# Allegro board REF_038HX-888005K4R-A100.brd (continued)
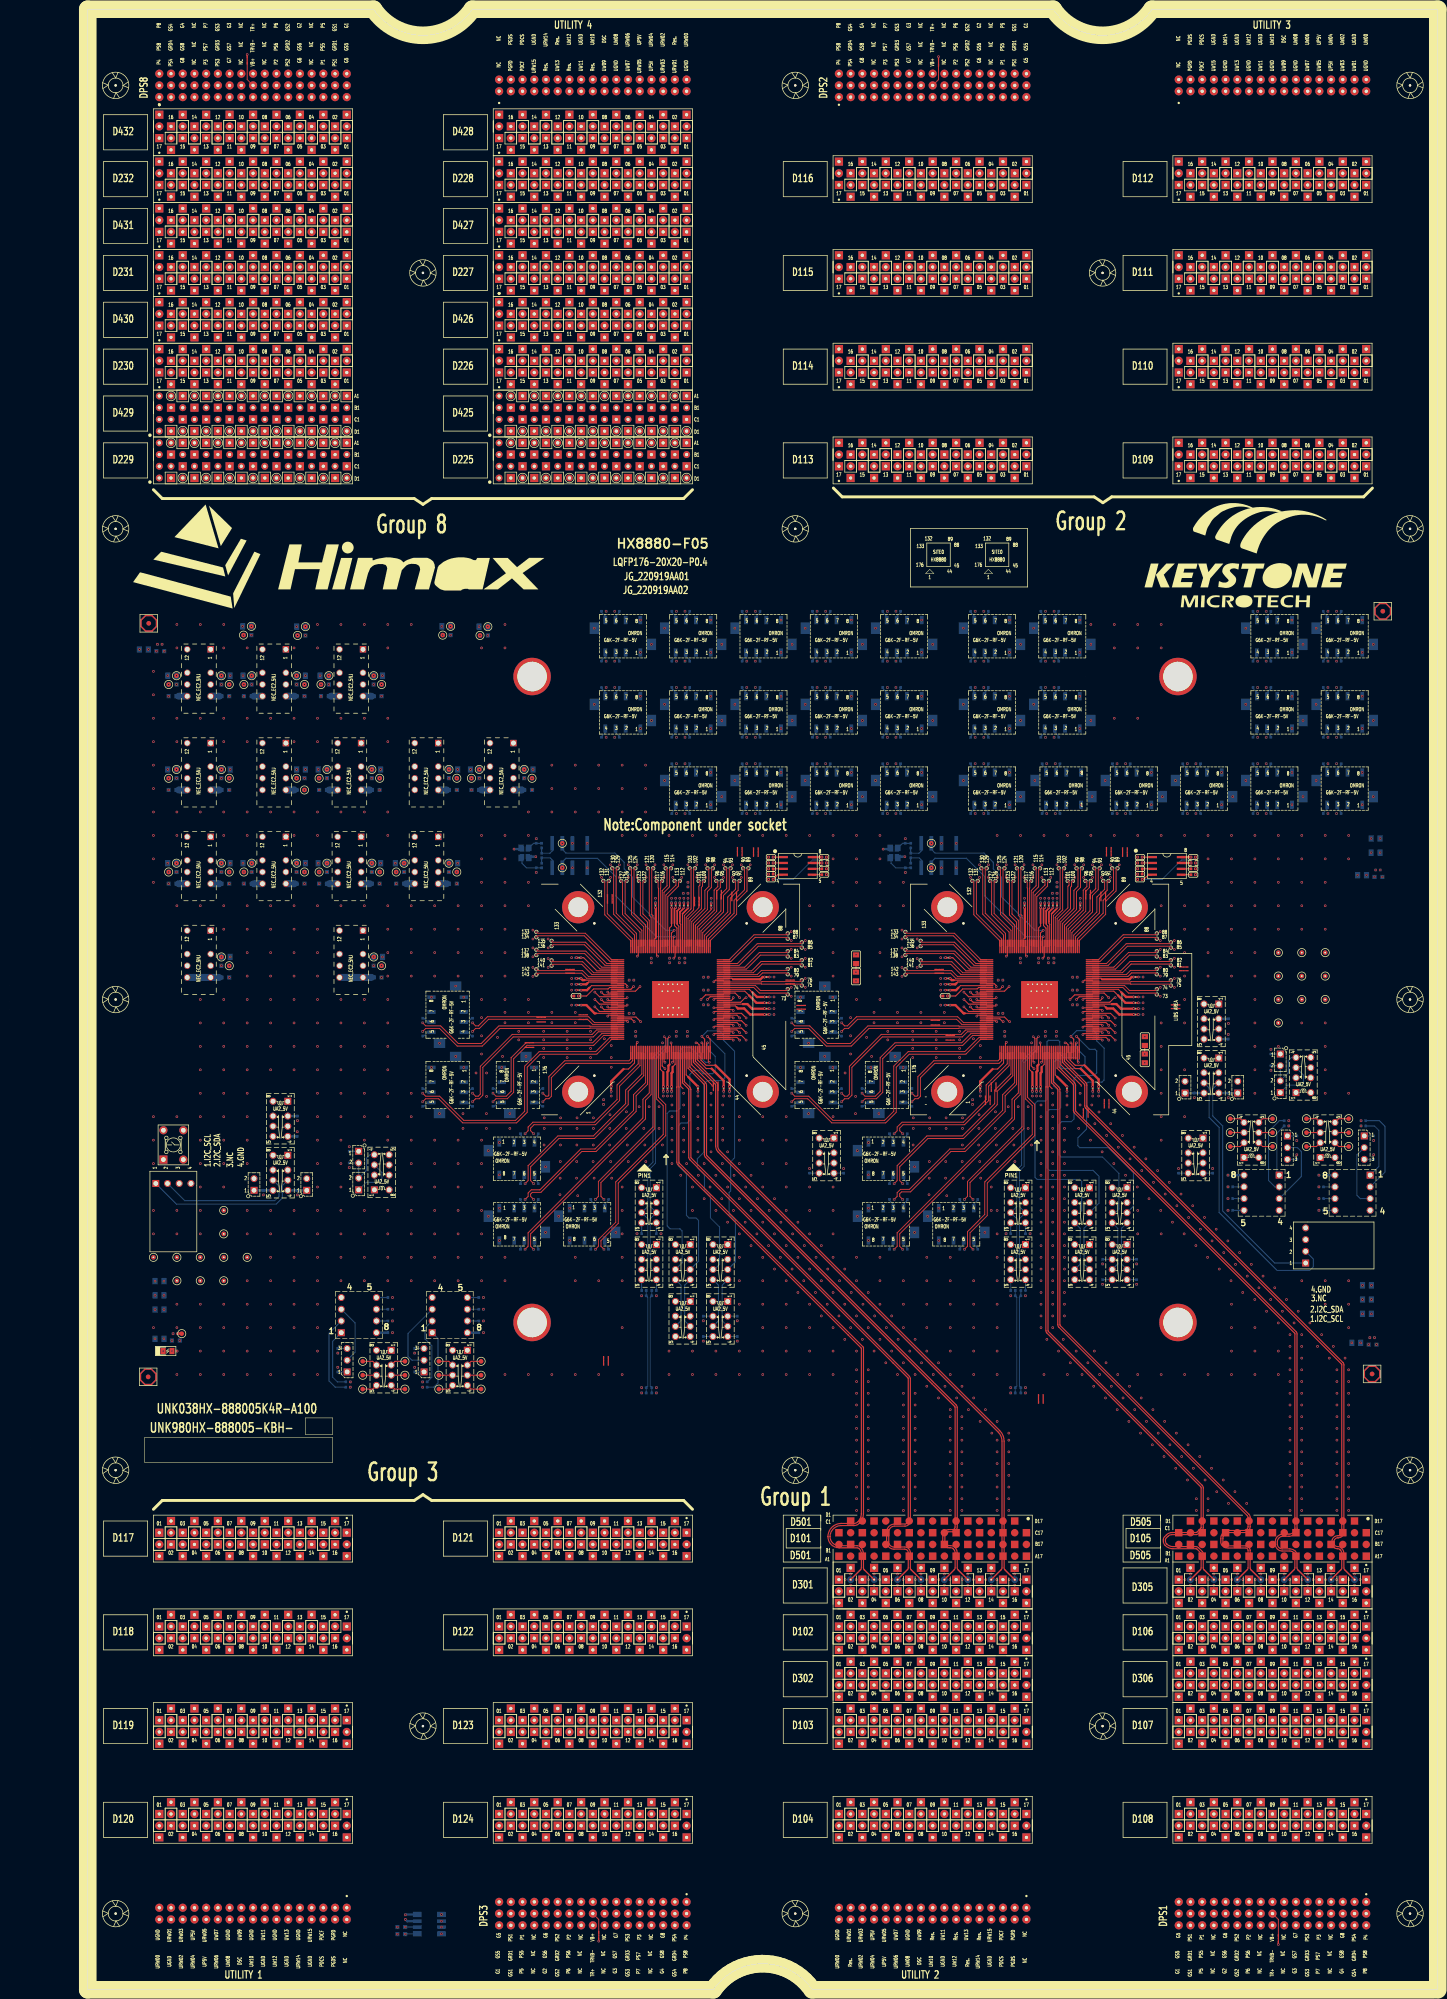
[diagram p0: board, top side]
## Nets (continued)
1SK1_2: UNK1SK1_2.1 UNK2SK1.2
1SK1_3: UNK1SK1_3.1 UNK2SK1.3
1SK1_4: UNK1SK1_4.1 UNK2SK1.4
1SK1_5: UNK1SK1_5.1 UNK2SK1.5
1SK1_6: UNK1SK1_6.1 UNK2SK1.6
1SK1_7: UNK1SK1_7.1 UNK2SK1.7
1SK2_2: UNK1SK2_2.1 UNK2SK2.2
1SK2_3: UNK1SK2_3.1 UNK2SK2.3
1SK2_4: UNK1SK2_4.1 UNK2SK2.4
1SK2_5: UNK1SK2_5.1 UNK2SK2.5
1SK2_6: UNK1SK2_6.1 UNK2SK2.6
1SK2_7: UNK1SK2_7.1 UNK2SK2.7
CSDPS225GS1: CSDPS225.D2 SH2.2
CSDPS225GS2: CSDPS225.A1
CSDPS225GS3: CSDPS225.D4 SH24.2
CSDPS225GS4: CSDPS225.A3
CSDPS225GS5: CSDPS225.D6 SH13.2
CSDPS225GS6: CSDPS225.A5
CSDPS225GS7: CSDPS225.D8 SH8.2
CSDPS225GS8: CSDPS225.A7
CSDPS225GS9: CSDPS225.D10 SH26.2
CSDPS225GS10: CSDPS225.A9
CSDPS225GS11: CSDPS225.D12 SH15.2
CSDPS225GS12: CSDPS225.A11
CSDPS225GS13: CSDPS225.A13 CSDPS225.D14 CSDPS225.D16 SH6.2
CSDPS225GS16: CSDPS225.A15
CSDPS225P1: CA1.1 CA2.1 CC1.1 CC2.1 CD1.1 CSDPS225.B1 K34.4 RP1.1 SH1.1 SITE1.3(VDDA_33_LV) TP_VDDA_33_LV.1(TP)
CSDPS225P2: CSDPS225.C2
CSDPS225P3: CA32.1 CA33.1 CC26.1 CD16.1 CSDPS225.B3 K31.4 RP10.1 SH23.1 SITE1.105(AVDD11_XTAL) TP_AVDD11_XTAL.1(TP)
CSDPS225P4: CSDPS225.C4
CSDPS225P5: CA13.1 CA14.1 CC19.1 CC20.1 CD13.1 CSDPS225.B5 K40.4 RP7.1 SH14.1 SITE1.106(PLL_M_VDD33) TP_PLL_M_VDD33.1(TP)
CSDPS225P6: CSDPS225.C6
CSDPS225P7: CA7.1 CA8.1 CC11.1 CD8.1 CSDPS225.B7 K37.4 RP4.1 SH7.1 SITE1.25(AVDD18_RX) TP_AVDD18_RX.1(TP)
CSDPS225P8: CSDPS225.C8
CSDPS225P9: CA35.1 CA36.1 CC17.1 CC29.1 CC37.1 CC38.1 CD12.1 CD24.1 CSDPS225.B9 K39.9 RP11.1 SH25.1 SITE1.119(VDDTXPST_11_T-1) SITE1.139(VDDTXPST_11_T-2) TP_VDDTXPST_11_T.1(TP)
CSDPS225P10: CSDPS225.C10
CSDPS225P11: CA15.1 CA16.1 CC22.1 CC23.1 CD14.1 CSDPS225.B11 K40.9 RP8.1 SH16.1 SITE1.111(PLL_TX_VDD33) TP_PLL_TX_VDD33.1(TP)
CSDPS225P12: CSDPS225.C12
CSDPS225P13: CA5.1 CA6.1 CC6.1 CC7.1 CC8.1 CC9.1 CC36.1 CD4.1 CD5.1 CD6.1 CD7.1 CD23.1 CSDPS225.B13 CSDPS225.B15 CSDPS225.C14 K36.4 K36.9 RP3.1 SH5.1 SITE1.22(VDDC_11-1) SITE1.39(VDDC_11-2) SITE1.64(VDDC_11-3) SITE1.104(VDDC_11-4) SITE1.147(VDDC_11-5) TP_VDDC_11.1(TP)
CSDPS225P16: CSDPS225.C16
CSDPS225PS1: CSDPS225.D1 SH1.2
CSDPS225PS2: CSDPS225.A2
CSDPS225PS3: CSDPS225.D3 SH23.2
CSDPS225PS4: CSDPS225.A4
CSDPS225PS5: CSDPS225.D5 SH14.2
CSDPS225PS6: CSDPS225.A6
CSDPS225PS7: CSDPS225.D7 SH7.2
CSDPS225PS8: CSDPS225.A8
CSDPS225PS9: CSDPS225.D9 SH25.2
CSDPS225PS10: CSDPS225.A10
CSDPS225PS11: CSDPS225.D11 SH16.2
CSDPS225PS12: CSDPS225.A12
CSDPS225PS13: CSDPS225.A14 CSDPS225.D13 CSDPS225.D15 SH5.2
CSDPS225PS16: CSDPS225.A16
CSDPS229GS1: 2SH2.2 CSDPS229.D2
CSDPS229GS2: CSDPS229.A1
CSDPS229GS3: 2SH24.2 CSDPS229.D4
CSDPS229GS4: CSDPS229.A3
CSDPS229GS5: 2SH13.2 CSDPS229.D6
CSDPS229GS6: CSDPS229.A5
CSDPS229GS7: 2SH8.2 CSDPS229.D8
CSDPS229GS8: CSDPS229.A7
CSDPS229GS9: 2SH26.2 CSDPS229.D10
CSDPS229GS10: CSDPS229.A9
CSDPS229GS11: 2SH15.2 CSDPS229.D12
CSDPS229GS12: CSDPS229.A11
CSDPS229GS13: 2SH6.2 CSDPS229.A13 CSDPS229.D14 CSDPS229.D16
CSDPS229GS16: CSDPS229.A15
CSDPS229P1: 2SH1.1 CSDPS229.B1 SITE2.3(VDDA_33_LV) UNK2CA1.1 UNK2CA2.1 UNK2CC1.1 UNK2CC2.1 UNK2CD1.1 UNK2K34.4 UNK2RP1.1 UNK2TP_VDDA_33_LV.1
CSDPS229P2: CSDPS229.C2
CSDPS229P3: 2SH23.1 CSDPS229.B3 SITE2.105(AVDD11_XTAL) UNK2CA32.1 UNK2CA33.1 UNK2CC26.1 UNK2CD16.1 UNK2K31.4 UNK2RP10.1 UNK2TP_AVDD11_XTAL.1
CSDPS229P4: CSDPS229.C4
CSDPS229P5: 2SH14.1 CSDPS229.B5 SITE2.106(PLL_M_VDD33) UNK2CA13.1 UNK2CA14.1 UNK2CC19.1 UNK2CC20.1 UNK2CD13.1 UNK2K40.4 UNK2RP7.1 UNK2TP_PLL_M_VDD33.1
CSDPS229P6: CSDPS229.C6
CSDPS229P7: 2SH7.1 CSDPS229.B7 SITE2.25(AVDD18_RX) UNK2CA7.1 UNK2CA8.1 UNK2CC11.1 UNK2CD8.1 UNK2K37.4 UNK2RP4.1 UNK2TP_AVDD18_RX.1
CSDPS229P8: CSDPS229.C8
CSDPS229P9: 2SH25.1 CSDPS229.B9 SITE2.119(VDDTXPST_11_T-1) SITE2.139(VDDTXPST_11_T-2) UNK2CA35.1 UNK2CA36.1 UNK2CC17.1 UNK2CC29.1 UNK2CC37.1 UNK2CC38.1 UNK2CD12.1 UNK2CD24.1 UNK2K39.9 UNK2RP11.1 UNK2TP_VDDTXPST_11_T.1
CSDPS229P10: CSDPS229.C10
CSDPS229P11: 2SH16.1 CSDPS229.B11 SITE2.111(PLL_TX_VDD33) UNK2CA15.1 UNK2CA16.1 UNK2CC22.1 UNK2CC23.1 UNK2CD14.1 UNK2K40.9 UNK2RP8.1 UNK2TP_PLL_TX_VDD33.1
CSDPS229P12: CSDPS229.C12
CSDPS229P13: 2SH5.1 CSDPS229.B13 CSDPS229.B15 CSDPS229.C14 SITE2.22(VDDC_11-1) SITE2.39(VDDC_11-2) SITE2.64(VDDC_11-3) SITE2.104(VDDC_11-4) SITE2.147(VDDC_11-5) UNK2CA5.1 UNK2CA6.1 UNK2CC6.1 UNK2CC7.1 UNK2CC8.1 UNK2CC9.1 UNK2CC36.1 UNK2CD4.1 UNK2CD5.1 UNK2CD6.1 UNK2CD7.1 UNK2CD23.1 UNK2K36.4 UNK2K36.9 UNK2RP3.1 UNK2TP_VDDC_11.1
CSDPS229P16: CSDPS229.C16
CSDPS229PS1: 2SH1.2 CSDPS229.D1
CSDPS229PS2: CSDPS229.A2
CSDPS229PS3: 2SH23.2 CSDPS229.D3
CSDPS229PS4: CSDPS229.A4
CSDPS229PS5: 2SH14.2 CSDPS229.D5
CSDPS229PS6: CSDPS229.A6
CSDPS229PS7: 2SH7.2 CSDPS229.D7
CSDPS229PS8: CSDPS229.A8
CSDPS229PS9: 2SH25.2 CSDPS229.D9
CSDPS229PS10: CSDPS229.A10
CSDPS229PS11: 2SH16.2 CSDPS229.D11
CSDPS229PS12: CSDPS229.A12
CSDPS229PS13: 2SH5.2 CSDPS229.A14 CSDPS229.D13 CSDPS229.D15
CSDPS229PS16: CSDPS229.A16
CSDPS425GS1: CSDPS425.D2 SH11.2
CSDPS425GS2: CSDPS425.A1
CSDPS425GS3: CSDPS425.D4 SH19.2
CSDPS425GS4: CSDPS425.A3
CSDPS425GS5: CSDPS425.D6
CSDPS425GS6: CSDPS425.A5
CSDPS425GS7: CSDPS425.D8 SH17.2
CSDPS425GS8: CSDPS425.A7
CSDPS425GS9: CSDPS425.D10 SH21.2
CSDPS425GS10: CSDPS425.A9
CSDPS425GS11: CSDPS425.D12 SH4.2
CSDPS425GS12: CSDPS425.A11
CSDPS425GS13: CSDPS425.D14 SH9.2
CSDPS425GS14: CSDPS425.A13
CSDPS425GS15: CSDPS425.D16 SH28.2
CSDPS425GS16: CSDPS425.A15
CSDPS425P1: CA11.1 CA12.1 CC15.1 CC16.1 CC27.1 CC28.1 CD10.1 CD11.1 CSDPS425.B1 K39.4 RP6.1 SH12.1 SITE1.78(VDDTXPST_11_B-1) SITE1.97(VDDTXPST_11_B-2) TP_VDDTXPST_11_B.1(TP)
CSDPS425P2: CSDPS425.C2
CSDPS425P3: CA19.1 CA20.1 CSDPS425.B3 R1.1 R4.1 SH20.1 TP_AUXVCC.1(TP)
CSDPS425P4: CSDPS425.C4
CSDPS425P5: CSDPS425.B5
CSDPS425P6: CSDPS425.C6
CSDPS425P7: CA17.1 CA18.1 CC25.1 CC40.1 CD15.1 CSDPS425.B7 K42.4 RP9.1 SH18.1 SITE1.72(VDD_TXREG_33_B) TP_VDD_TXREG_33_B.1(TP)
CSDPS425P8: CSDPS425.C8
CSDPS425P9: C8.1 C9.1 CA30.1 CA31.1 CSDPS425.B9 R82.2 R83.1 R84.1 R87.2 R88.2 R89.2 R90.2 R91.2 R92.2 R94.2 R95.2 R96.2 R97.2 R98.2 R99.2 R119.1 R120.1 SH22.1 TP_VCC3V3.1(TP) U1.8(VCC) U2.8(VCC)
CSDPS425P10: CSDPS425.C10
CSDPS425P11: CA3.1 CA4.1 CC4.1 CC30.1 CC31.1 CC32.1 CC33.1 CC34.1 CC35.1 CC42.1 CD3.1 CD17.1 CD18.1 CD19.1 CD20.1 CD21.1 CD22.1 CSDPS425.B11 K34.9 R85.1 RP2.1 SH3.1 SITE1.17(VDD_IO_33-1) SITE1.37(VDD_IO_33-2) SITE1.63(VDD_IO_33-3) SITE1.71(VDD_IO_33-4) SITE1.107(VDD_IO_33-5) SITE1.145(VDD_IO_33-6) SITE1.162(VDD_IO_33-7) TP_VDD_IO_33.1(TP)
CSDPS425P12: CSDPS425.C12
CSDPS425P13: CA9.1 CA10.1 CC13.1 CD9.1 CSDPS425.B13 K37.9 RP5.1 SH10.1 SITE1.31(AVDD11_RX) TP_AVDD11_RX.1(TP)
CSDPS425P14: CSDPS425.C14
CSDPS425P15: CA38.1 CA39.1 CC39.1 CC41.1 CD25.1 CSDPS425.B15 K42.9 RP12.1 SH27.1 SITE1.144(VDD_TXREG_33_T) TP_VDD_TXREG_33_T.1(TP)
CSDPS425P16: CSDPS425.C16
CSDPS425PS1: CSDPS425.D1 SH12.2
CSDPS425PS2: CSDPS425.A2
CSDPS425PS3: CSDPS425.D3 SH20.2
CSDPS425PS4: CSDPS425.A4
CSDPS425PS5: CSDPS425.D5
CSDPS425PS6: CSDPS425.A6
CSDPS425PS7: CSDPS425.D7 SH18.2
CSDPS425PS8: CSDPS425.A8
CSDPS425PS9: CSDPS425.D9 SH22.2
CSDPS425PS10: CSDPS425.A10
CSDPS425PS11: CSDPS425.D11 SH3.2
CSDPS425PS12: CSDPS425.A12
CSDPS425PS13: CSDPS425.D13 SH10.2
CSDPS425PS14: CSDPS425.A14
CSDPS425PS15: CSDPS425.D15 SH27.2
CSDPS425PS16: CSDPS425.A16
CSDPS429GS1: 2SH11.2 CSDPS429.D2
CSDPS429GS2: CSDPS429.A1
CSDPS429GS3: CSDPS429.D4
CSDPS429GS4: CSDPS429.A3
CSDPS429GS5: 2SH19.2 CSDPS429.D6
CSDPS429GS6: CSDPS429.A5
CSDPS429GS7: 2SH17.2 CSDPS429.D8
CSDPS429GS8: CSDPS429.A7
CSDPS429GS9: 2SH21.2 CSDPS429.D10
CSDPS429GS10: CSDPS429.A9
CSDPS429GS11: 2SH4.2 CSDPS429.D12
CSDPS429GS12: CSDPS429.A11
CSDPS429GS13: 2SH9.2 CSDPS429.D14
CSDPS429GS14: CSDPS429.A13
CSDPS429GS15: 2SH28.2 CSDPS429.D16
CSDPS429GS16: CSDPS429.A15
CSDPS429P1: 2SH12.1 CSDPS429.B1 SITE2.78(VDDTXPST_11_B-1) SITE2.97(VDDTXPST_11_B-2) UNK2CA11.1 UNK2CA12.1 UNK2CC15.1 UNK2CC16.1 UNK2CC27.1 UNK2CC28.1 UNK2CD10.1 UNK2CD11.1 UNK2K39.4 UNK2RP6.1 UNK2TP_VDDTXPST_11_B.1
CSDPS429P2: CSDPS429.C2
CSDPS429P3: CSDPS429.B3
CSDPS429P4: CSDPS429.C4
CSDPS429P5: 2SH20.1 CSDPS429.B5 UNK2CA19.1 UNK2CA20.1 UNK2R1.1 UNK2R4.1 UNK2TP_AUXVCC.1
CSDPS429P6: CSDPS429.C6
CSDPS429P7: 2SH18.1 CSDPS429.B7 SITE2.72(VDD_TXREG_33_B) UNK2CA17.1 UNK2CA18.1 UNK2CC25.1 UNK2CC40.1 UNK2CD15.1 UNK2K42.4 UNK2RP9.1 UNK2TP_VDD_TXREG_33_B.1
CSDPS429P8: CSDPS429.C8
CSDPS429P9: 2SH22.1 CSDPS429.B9 UNK2C8.1 UNK2C9.1 UNK2CA30.1 UNK2CA31.1 UNK2R82.2 UNK2R83.1 UNK2R84.1 UNK2R87.2 UNK2R88.2 UNK2R89.2 UNK2R90.2 UNK2R91.2 UNK2R92.2 UNK2R94.2 UNK2R95.2 UNK2R96.2 UNK2R97.2 UNK2R98.2 UNK2R99.2 UNK2R119.1 UNK2R120.1 UNK2TP_VCC3V3.1 UNK2U1.8 UNK2U2.8
CSDPS429P10: CSDPS429.C10
CSDPS429P11: 2SH3.1 CSDPS429.B11 SITE2.17(VDD_IO_33-1) SITE2.37(VDD_IO_33-2) SITE2.63(VDD_IO_33-3) SITE2.71(VDD_IO_33-4) SITE2.107(VDD_IO_33-5) SITE2.145(VDD_IO_33-6) SITE2.162(VDD_IO_33-7) UNK2CA3.1 UNK2CA4.1 UNK2CC4.1 UNK2CC30.1 UNK2CC31.1 UNK2CC32.1 UNK2CC33.1 UNK2CC34.1 UNK2CC35.1 UNK2CC42.1 UNK2CD3.1 UNK2CD17.1 UNK2CD18.1 UNK2CD19.1 UNK2CD20.1 UNK2CD21.1 UNK2CD22.1 UNK2K34.9 UNK2R85.1 UNK2RP2.1 UNK2TP_VDD_IO_33.1
CSDPS429P12: CSDPS429.C12
CSDPS429P13: 2SH10.1 CSDPS429.B13 SITE2.31(AVDD11_RX) UNK2CA9.1 UNK2CA10.1 UNK2CC13.1 UNK2CD9.1 UNK2K37.9 UNK2RP5.1 UNK2TP_AVDD11_RX.1
CSDPS429P14: CSDPS429.C14
CSDPS429P15: 2SH27.1 CSDPS429.B15 SITE2.144(VDD_TXREG_33_T) UNK2CA38.1 UNK2CA39.1 UNK2CC39.1 UNK2CC41.1 UNK2CD25.1 UNK2K42.9 UNK2RP12.1 UNK2TP_VDD_TXREG_33_T.1
CSDPS429P16: CSDPS429.C16
CSDPS429PS1: 2SH12.2 CSDPS429.D1
CSDPS429PS2: CSDPS429.A2
CSDPS429PS3: CSDPS429.D3
CSDPS429PS4: CSDPS429.A4
CSDPS429PS5: 2SH20.2 CSDPS429.D5
CSDPS429PS6: CSDPS429.A6
CSDPS429PS7: 2SH18.2 CSDPS429.D7
CSDPS429PS8: CSDPS429.A8
CSDPS429PS9: 2SH22.2 CSDPS429.D9
CSDPS429PS10: CSDPS429.A10
CSDPS429PS11: 2SH3.2 CSDPS429.D11
CSDPS429PS12: CSDPS429.A12
CSDPS429PS13: 2SH10.2 CSDPS429.D13
CSDPS429PS14: CSDPS429.A14
CSDPS429PS15: 2SH27.2 CSDPS429.D15
CSDPS429PS16: CSDPS429.A16
D231_MCB1_CT2: D231.17
D231_MCB1_E+: D231.16
D231_MCB1_E-: D231.15
D231_MCB1_EE+: D231.08
D231_MCB1_EE-: D231.07
D231_MCB1_F+: D231.14
D231_MCB1_F-: D231.13
D231_MCB1_FF+: D231.06
D231_MCB1_FF-: D231.05
D231_MCB1_G+: D231.12
D231_MCB1_G-: D231.11
D231_MCB1_GG+: D231.04
D231_MCB1_GG-: D231.03
D231_MCB1_H+: D231.10
D231_MCB1_H-: D231.09
D231_MCB1_HH+: D231.02
D231_MCB1_HH-: D231.01
D232_MCB1_CT2: D232.17
D232_MCB1_E+: D232.16
D232_MCB1_E-: D232.15
D232_MCB1_EE+: D232.08
D232_MCB1_EE-: D232.07
D232_MCB1_F+: D232.14
D232_MCB1_F-: D232.13
D232_MCB1_FF+: D232.06
D232_MCB1_FF-: D232.05
D232_MCB1_G+: D232.12
D232_MCB1_G-: D232.11
D232_MCB1_GG+: D232.04
D232_MCB1_GG-: D232.03
D232_MCB1_H+: D232.10
D232_MCB1_H-: D232.09
D232_MCB1_HH+: D232.02
D232_MCB1_HH-: D232.01
D431_MCB1_A+: D431.16
D431_MCB1_A-: D431.15
D431_MCB1_AA+: D431.08
D431_MCB1_AA-: D431.07
D431_MCB1_B+: D431.14
D431_MCB1_B-: D431.13
D431_MCB1_BB+: D431.06
D431_MCB1_BB-: D431.05
D431_MCB1_C+: D431.12
D431_MCB1_C-: D431.11
D431_MCB1_CC+: D431.04
D431_MCB1_CC-: D431.03
D431_MCB1_CT1: D431.17
D431_MCB1_D+: D431.10
D431_MCB1_D-: D431.09
D431_MCB1_DD+: D431.02
D431_MCB1_DD-: D431.01
D432_MCB1_A+: D432.16
D432_MCB1_A-: D432.15
D432_MCB1_AA+: D432.08
D432_MCB1_AA-: D432.07
D432_MCB1_B+: D432.14
D432_MCB1_B-: D432.13
D432_MCB1_BB+: D432.06
D432_MCB1_BB-: D432.05
D432_MCB1_C+: D432.12
D432_MCB1_C-: D432.11
D432_MCB1_CC+: D432.04
D432_MCB1_CC-: D432.03
D432_MCB1_CT1: D432.17
D432_MCB1_D+: D432.10
D432_MCB1_D-: D432.09
D432_MCB1_DD+: D432.02
D432_MCB1_DD-: D432.01
D10201: D102.01
D10202: D102.02
D10203: D102.03
D10204: D102.04
D10205: D102.05
D10206: D102.06
D10207: D102.07
D10208: D102.08
D10209: D102.09
D10210: D102.10
D10211: D102.11
D10212: D102.12
D10213: D102.13
D10214: D102.14
D10215: D102.15
D10216: D102.16
D10301: D103.01 SITE1.70(OSD_SPI_SDO)
D10302: D103.02 SITE1.65(LED_SPI_SO_A)
D10303: D103.03 SITE1.66(LED_SPI_SO_B)
D10304: D103.04 RB1.2 UB1.6(SCL)
D10305: D103.05 SITE1.61(LED_SPI_XLAT_B)
D10306: D103.06 RB2.2 UB1.5(SDA)
D10307: D103.07 SITE1.59(LED_SPI_SIN_B)
D10308: D103.08
D10309: D103.09 SITE1.58(LED_SPI_GSCLK_B)
D10310: D103.10
D10311: D103.11 SITE1.55(LED_SPI_SCLK_A)
D10312: D103.12
D10313: D103.13 SITE1.54(LED_SPI_SIN_A)
D10314: D103.14
D10315: D103.15 K13.3 SITE1.67(OSD_SPI_SCK_I2CCLK)
D10316: D103.16
D10401: D104.01 SITE1.56(LED_SPI_XLAT_A)
D10402: D104.02 SITE1.60(LED_SPI_SCLK_B)
D10403: D104.03 SITE1.48(FAIL_FLAG_O)
D10404: D104.04 SITE1.57(LED_SPI_BLANK_B)
D10405: D104.05 SITE1.52(LED_SPI_BLANK_A)
D10406: D104.06 SITE1.53(LED_SPI_GSCLK_A)
D10407: D104.07 SITE1.40(AGEN)
D10408: D104.08 SITE1.49(PWMI)
D10409: D104.09 RP3.2
D10410: D104.10 SITE1.45(STV_IN)
D10411: D104.11 SITE1.69(OSD_SPI_CSN)
D10412: D104.12 SITE1.46(EIO1)
D10413: D104.13 RP9.2
D10414: D104.14 SITE1.47(EIO2)
D10415: D104.15 R118.1 SITE1.148(ISP_LOCK)
D10416: D104.16 K13.6 SITE1.68(OSD_SPI_SDI_I2CDAT)
D10601: D106.01
D10602: D106.02
D10603: D106.03
D10604: D106.04
D10605: D106.05
D10606: D106.06
D10607: D106.07
D10608: D106.08
D10609: D106.09
D10610: D106.10
D10611: D106.11
D10612: D106.12
D10613: D106.13
D10614: D106.14
D10615: D106.15
D10616: D106.16
D10701: D107.01 SITE2.70(OSD_SPI_SDO)
D10702: D107.02 SITE2.65(LED_SPI_SO_A)
D10703: D107.03 SITE2.66(LED_SPI_SO_B)
D10704: D107.04
D10705: D107.05 SITE2.61(LED_SPI_XLAT_B)
D10706: D107.06
D10707: D107.07 SITE2.59(LED_SPI_SIN_B)
D10708: D107.08
D10709: D107.09 SITE2.58(LED_SPI_GSCLK_B)
D10710: D107.10
D10711: D107.11 SITE2.55(LED_SPI_SCLK_A)
D10712: D107.12
D10713: D107.13 SITE2.54(LED_SPI_SIN_A)
D10714: D107.14
D10715: D107.15 SITE2.67(OSD_SPI_SCK_I2CCLK) UNK2K13.3
D10716: D107.16
D10801: D108.01 SITE2.56(LED_SPI_XLAT_A)
D10802: D108.02 SITE2.60(LED_SPI_SCLK_B)
D10803: D108.03 SITE2.48(FAIL_FLAG_O)
D10804: D108.04 SITE2.57(LED_SPI_BLANK_B)
D10805: D108.05 SITE2.52(LED_SPI_BLANK_A)
D10806: D108.06 SITE2.53(LED_SPI_GSCLK_A)
D10807: D108.07 SITE2.40(AGEN)
D10808: D108.08 SITE2.49(PWMI)
D10809: D108.09 UNK2RP3.2
D10810: D108.10 SITE2.45(STV_IN)
D10811: D108.11 SITE2.69(OSD_SPI_CSN)
D10812: D108.12 SITE2.46(EIO1)
D10813: D108.13 UNK2RP9.2
D10814: D108.14 SITE2.47(EIO2)
D10815: D108.15 SITE2.148(ISP_LOCK) UNK2R118.1
D10816: D108.16 SITE2.68(OSD_SPI_SDI_I2CDAT) UNK2K13.6
D10901: D109.01 SITE2.91(BML1P) UNK2R23.1
D10902: D109.02 SITE2.87(AML5P) UNK2R19.1
D10903: D109.03 SITE2.92(BML1N) UNK2R24.2
D10904: D109.04 SITE2.88(AML5N) UNK2R20.2
D10905: D109.05 SITE2.75(AML1P) UNK2R9.1
D10906: D109.06 SITE2.98(BML3P) UNK2R29.1
D10907: D109.07 SITE2.76(AML1N) UNK2R10.2
D10908: D109.08 SITE2.99(BML3N) UNK2R30.2
D10909: D109.09 SITE2.93(BML2P) UNK2R25.1
D10910: D109.10 SITE2.122(CML3P) UNK2R67.1
D10911: D109.11 SITE2.94(BML2N) UNK2R26.2
D10912: D109.12 SITE2.123(CML3N) UNK2R68.2
D10913: D109.13 SITE2.95(BMLCKP) UNK2R27.1
D10914: D109.14 SITE2.124(CML4P) UNK2R69.1
D10915: D109.15 SITE2.96(BMLCKN) UNK2R28.2
D10916: D109.16 SITE2.125(CML4N) UNK2R70.2
D11001: D110.01 SITE2.79(AML2P) UNK2R11.1
D11002: D110.02 SITE2.116(CML2P) UNK2R39.1
D11003: D110.03 SITE2.80(AML2N) UNK2R12.2
D11004: D110.04 SITE2.117(CML2N) UNK2R40.2
D11005: D110.05 SITE2.73(AML0P) UNK2R7.1
D11006: D110.06 SITE2.120(CMLCKP) UNK2R41.1
D11007: D110.07 SITE2.74(AML0N) UNK2R8.2
D11008: D110.08 SITE2.121(CMLCKN) UNK2R42.2
D11009: D110.09 SITE2.100(BML4P) UNK2R31.1
D11010: D110.10 SITE2.135(DMLCKP) UNK2R79.1
D11011: D110.11 SITE2.101(BML4N) UNK2R32.2
D11012: D110.12 SITE2.136(DMLCKN) UNK2R80.2
D11013: D110.13 SITE2.102(BML5P) UNK2R33.1
D11014: D110.14 SITE2.137(DML3P) UNK2R43.1
D11015: D110.15 SITE2.103(BML5N) UNK2R34.2
D11016: D110.16 SITE2.138(DML3N) UNK2R44.2
D11101: D111.01 SITE2.129(DML0P) UNK2R73.1
D11102: D111.02 SITE2.81(AMLCKP) UNK2R13.1
D11103: D111.03 SITE2.130(DML0N) UNK2R74.2
D11104: D111.04 SITE2.82(AMLCKN) UNK2R14.2
D11105: D111.05 SITE2.126(CML5P) UNK2R71.1
D11106: D111.06 SITE2.83(AML3P) UNK2R15.1
D11107: D111.07 SITE2.127(CML5N) UNK2R72.2
D11108: D111.08 SITE2.84(AML3N) UNK2R16.2
D11109: D111.09 SITE2.112(CML0P) UNK2R35.1
D11110: D111.10 SITE2.85(AML4P) UNK2R17.1
D11111: D111.11 SITE2.113(CML0N) UNK2R36.2
D11112: D111.12 SITE2.86(AML4N) UNK2R18.2
D11113: D111.13 SITE2.114(CML1P) UNK2R37.1
D11114: D111.14 SITE2.89(BML0P) UNK2R21.1
D11115: D111.15 SITE2.115(CML1N) UNK2R38.2
D11116: D111.16 SITE2.90(BML0N) UNK2R22.2
D11201: D112.01 UNK2K18.7
D11202: D112.02 UNK2RT1.2 UNK2UT1.2
D11203: D112.03 UNK2K18.2
D11204: D112.04 UNK2RT2.2 UNK2UT1.1
D11205: D112.05 UNK2RP7.2
D11206: D112.06 SITE2.77(NC_VDDTX_11_B)
D11207: D112.07 UNK2RP10.2
D11208: D112.08 UNK2RP6.2
D11209: D112.09 SITE2.142(DML5P) UNK2R100.1
D11210: D112.10 SITE2.131(DML1P) UNK2R75.1
D11211: D112.11 SITE2.143(DML5N) UNK2R101.2
D11212: D112.12 SITE2.132(DML1N) UNK2R76.2
D11213: D112.13 SITE2.140(DML4P) UNK2R63.1
D11214: D112.14 SITE2.133(DML2P) UNK2R77.1
D11215: D112.15 SITE2.141(DML4N) UNK2R64.2
D11216: D112.16 SITE2.134(DML2N) UNK2R78.2
D11301: D113.01 R13.1 SITE1.81(AMLCKP)
D11302: D113.02 R21.1 SITE1.89(BML0P)
D11303: D113.03 R14.2 SITE1.82(AMLCKN)
D11304: D113.04 R22.2 SITE1.90(BML0N)
D11305: D113.05 R11.1 SITE1.79(AML2P)
D11306: D113.06 R19.1 SITE1.87(AML5P)
D11307: D113.07 R12.2 SITE1.80(AML2N)
D11308: D113.08 R20.2 SITE1.88(AML5N)
D11309: D113.09 R23.1 SITE1.91(BML1P)
D11310: D113.10 R29.1 SITE1.98(BML3P)
D11311: D113.11 R24.2 SITE1.92(BML1N)
D11312: D113.12 R30.2 SITE1.99(BML3N)
D11313: D113.13 R7.1 SITE1.73(AML0P)
D11314: D113.14 R41.1 SITE1.120(CMLCKP)
D11315: D113.15 R8.2 SITE1.74(AML0N)
D11316: D113.16 R42.2 SITE1.121(CMLCKN)
D11401: D114.01 R39.1 SITE1.116(CML2P)
D11402: D114.02 R33.1 SITE1.102(BML5P)
D11403: D114.03 R40.2 SITE1.117(CML2N)
D11404: D114.04 R34.2 SITE1.103(BML5N)
D11405: D114.05 R35.1 SITE1.112(CML0P)
D11406: D114.06 R31.1 SITE1.100(BML4P)
D11407: D114.07 R36.2 SITE1.113(CML0N)
D11408: D114.08 R32.2 SITE1.101(BML4N)
D11409: D114.09 R25.1 SITE1.93(BML2P)
D11410: D114.10 R77.1 SITE1.133(DML2P)
D11411: D114.11 R26.2 SITE1.94(BML2N)
D11412: D114.12 R78.2 SITE1.134(DML2N)
D11413: D114.13 R27.1 SITE1.95(BMLCKP)
D11414: D114.14 R75.1 SITE1.131(DML1P)
D11415: D114.15 R28.2 SITE1.96(BMLCKN)
D11416: D114.16 R76.2 SITE1.132(DML1N)
D11501: D115.01 R69.1 SITE1.124(CML4P)
D11502: D115.02 R9.1 SITE1.75(AML1P)
D11503: D115.03 R70.2 SITE1.125(CML4N)
D11504: D115.04 R10.2 SITE1.76(AML1N)
D11505: D115.05 R71.1 SITE1.126(CML5P)
D11506: D115.06 R15.1 SITE1.83(AML3P)
D11507: D115.07 R72.2 SITE1.127(CML5N)
D11508: D115.08 R16.2 SITE1.84(AML3N)
D11509: D115.09 R67.1 SITE1.122(CML3P)
D11510: D115.10 R17.1 SITE1.85(AML4P)
D11511: D115.11 R68.2 SITE1.123(CML3N)
D11512: D115.12 R18.2 SITE1.86(AML4N)
D11513: D115.13 R37.1 SITE1.114(CML1P)
D11514: D115.14 R73.1 SITE1.129(DML0P)
D11515: D115.15 R38.2 SITE1.115(CML1N)
D11516: D115.16 R74.2 SITE1.130(DML0N)
D11601: D116.01 K18.7
D11602: D116.02 RT1.2 UT1.2(SDA)
D11603: D116.03 K18.2
D11604: D116.04 RT2.2 UT1.1(SCL)
D11605: D116.05 RP7.2
D11606: D116.06 SITE1.77(NC_VDDTX_11_B)
D11607: D116.07 RP10.2
D11608: D116.08 RP6.2
D11609: D116.09 R43.1 SITE1.137(DML3P)
D11610: D116.10 R63.1 SITE1.140(DML4P)
D11611: D116.11 R44.2 SITE1.138(DML3N)
D11612: D116.12 R64.2 SITE1.141(DML4N)
D11613: D116.13 R79.1 SITE1.135(DMLCKP)
D11614: D116.14 R100.1 SITE1.142(DML5P)
D11615: D116.15 R80.2 SITE1.136(DMLCKN)
D11616: D116.16 R101.2 SITE1.143(DML5N)
D11701: D117.01 K10.3 S1_RST_N.1 SITE1.19(RESET_N)
D11702: D117.02 R58.2 SITE1.170(OLV1P)
D11703: D117.03 RT10.1
D11704: D117.04 R57.1 SITE1.169(OLV1N)
D11705: D117.05 J5.2 K28.6 S1_I2C.2 SITE1.51(I2C_SDA)
D11706: D117.06 R56.2 SITE1.168(OLV0P)
D11707: D117.07 RT9.1 RT10.2
D11708: D117.08 R55.1 SITE1.167(OLV0N)
D11709: D117.09 J4.2 K28.3 S1_I2C.1 SITE1.50(I2C_SCL)
D11710: D117.10 R66.2 SITE1.176(OLV3P)
D11711: D117.11 RP12.2
D11712: D117.12 R65.1 SITE1.175(OLV3N)
D11713: D117.13 R62.2 SITE1.174(OLVCKP)
D11714: D117.14 R105.2 SITE1.172(OLV2P)
D11715: D117.15 R61.1 SITE1.173(OLVCKN)
D11716: D117.16 R104.1 SITE1.171(OLV2N)
D11801: C3.2 D118.01
D11802: D118.02 R60.2 SITE1.2(OLV4P)
D11803: C4.2 D118.03
D11804: D118.04 R59.1 SITE1.1(OLV4N)
D11805: D118.05 R50.2 SITE1.16(ELV4P)
D11806: D118.06 R103.2 SITE1.6(ELV0P)
D11807: D118.07 R49.1 SITE1.15(ELV4N)
D11808: D118.08 R102.1 SITE1.5(ELV0N)
D11809: D118.09 R48.2 SITE1.14(ELV3P)
D11810: D118.10 R46.2 SITE1.8(ELV1P)
D11811: D118.11 R47.1 SITE1.13(ELV3N)
D11812: D118.12 R45.1 SITE1.7(ELV1N)
D11813: D118.13 R54.2 SITE1.12(ELVCKP)
D11814: D118.14 R52.2 SITE1.10(ELV2P)
D11815: D118.15 R53.1 SITE1.11(ELVCKN)
D11816: D118.16 R51.1 SITE1.9(ELV2N)
D11901: D119.01 SITE1.165(H2POL)
D11902: D119.02 SITE1.149(OE2)
D11903: D119.03 SITE1.166(SQINV)
D11904: D119.04 SITE1.153(CLK6)
D11905: D119.05 RP2.2
D11906: D119.06 SITE1.152(CLK7)
D11907: D119.07 SITE1.158(CLK1)
D11908: D119.08 SITE1.157(CLK2)
D11909: D119.09 SITE1.154(CLK5)
D11910: D119.10 SITE1.156(CLK3)
D11911: D119.11 SITE1.151(CLK8)
D11912: D119.12 SITE1.161(POL)
D11913: D119.13 SITE1.155(CLK4)
D11914: D119.14 SITE1.160(STV1)
D11915: D119.15 SITE1.163(TP1)
D11916: D119.16 SITE1.159(STV2)
D12001: D120.01 RP5.2
D12002: D120.02 RP1.2
D12003: D120.03 RP4.2
D12004: D120.04 SITE1.164(DC_EN)
D12005: D120.05 K14.2
D12006: D120.06 SITE1.150(OE1)
D12007: D120.07 K14.7
D12008: D120.08 RP11.2
D12009: D120.09 K15.2
D12010: D120.10 SITE1.118(NC_VDDTX_11_T)
D12011: D120.11 K15.7
D12012: D120.12 RP8.2
D12013: D120.13 K9.2
D12014: D120.14 SITE1.18(TEST)
D12015: D120.15 K9.7
D12016: D120.16 SITE1.24(HPD)
D12101: D121.01 SITE2.156(CLK3)
D12102: D121.02 SITE2.176(OLV3P) UNK2R66.2
D12103: D121.03 SITE2.157(CLK2)
D12104: D121.04 SITE2.175(OLV3N) UNK2R65.1
D12105: D121.05 SITE2.152(CLK7)
D12106: D121.06 SITE2.170(OLV1P) UNK2R58.2
D12107: D121.07 SITE2.153(CLK6)
D12108: D121.08 SITE2.169(OLV1N) UNK2R57.1
D12109: D121.09 SITE2.149(OE2)
D12110: D121.10 SITE2.168(OLV0P) UNK2R56.2
D12111: D121.11 UNK2RP12.2
D12112: D121.12 SITE2.167(OLV0N) UNK2R55.1
D12113: D121.13 SITE2.174(OLVCKP) UNK2R62.2
D12114: D121.14 SITE2.172(OLV2P) UNK2R105.2
D12115: D121.15 SITE2.173(OLVCKN) UNK2R61.1
D12116: D121.16 SITE2.171(OLV2N) UNK2R104.1
D12201: D122.01 UNK2C3.2
D12202: D122.02 SITE2.2(OLV4P) UNK2R60.2
D12203: D122.03 UNK2C4.2
D12204: D122.04 SITE2.1(OLV4N) UNK2R59.1
D12205: D122.05 SITE2.16(ELV4P) UNK2R50.2
D12206: D122.06 SITE2.6(ELV0P) UNK2R103.2
D12207: D122.07 SITE2.15(ELV4N) UNK2R49.1
D12208: D122.08 SITE2.5(ELV0N) UNK2R102.1
D12209: D122.09 SITE2.14(ELV3P) UNK2R48.2
D12210: D122.10 SITE2.8(ELV1P) UNK2R46.2
D12211: D122.11 SITE2.13(ELV3N) UNK2R47.1
D12212: D122.12 SITE2.7(ELV1N) UNK2R45.1
D12213: D122.13 SITE2.10(ELV2P) UNK2R52.2
D12214: D122.14 SITE2.12(ELVCKP) UNK2R54.2
D12215: D122.15 SITE2.9(ELV2N) UNK2R51.1
D12216: D122.16 SITE2.11(ELVCKN) UNK2R53.1
D12301: D123.01 SITE2.118(NC_VDDTX_11_T)
D12302: D123.02 SITE2.161(POL)
D12303: D123.03 UNK2RP11.2
D12304: D123.04 SITE2.160(STV1)
D12305: D123.05 SITE2.150(OE1)
D12306: D123.06 SITE2.159(STV2)
D12307: D123.07 SITE2.164(DC_EN)
D12308: D123.08 SITE2.163(TP1)
D12309: D123.09 UNK2RP1.2
D12310: D123.10 SITE2.155(CLK4)
D12311: D123.11 SITE2.165(H2POL)
D12312: D123.12 SITE2.151(CLK8)
D12313: D123.13 SITE2.166(SQINV)
D12314: D123.14 SITE2.154(CLK5)
D12315: D123.15 UNK2RP2.2
D12316: D123.16 SITE2.158(CLK1)
D12401: D124.01 UNK2RT10.1
D12402: D124.02 UNK2RP8.2
D12403: D124.03 UNK2RT9.1 UNK2RT10.2
D12404: D124.04 SITE2.18(TEST)
D12405: D124.05 SITE2.50(I2C_SCL) UNK2J4.2 UNK2K28.3 UNK2S1_I2C.1
D12406: D124.06 UNK2K9.2
D12407: D124.07 SITE2.51(I2C_SDA) UNK2J5.2 UNK2K28.6 UNK2S1_I2C.2
D12408: D124.08 UNK2K9.7
D12409: D124.09 SITE2.19(RESET_N) UNK2K10.3 UNK2S1_RST_N.1
D12410: D124.10 SITE2.24(HPD)
D12411: D124.11 UNK2K14.2
D12412: D124.12 UNK2RP4.2
D12413: D124.13 UNK2K14.7
D12414: D124.14 UNK2RP5.2
D12415: D124.15 UNK2K15.2
D12416: D124.16 UNK2K15.7
D23004: D230.04
D30101: D301.01
D30102: D301.02 SITE1.26(RXD0P)
D30103: D301.03
D30104: D301.04 SITE1.27(RXD0N)
